# Altium PCB CANOPi_Topboard.PcbDoc (part 1 of 2) (continued)
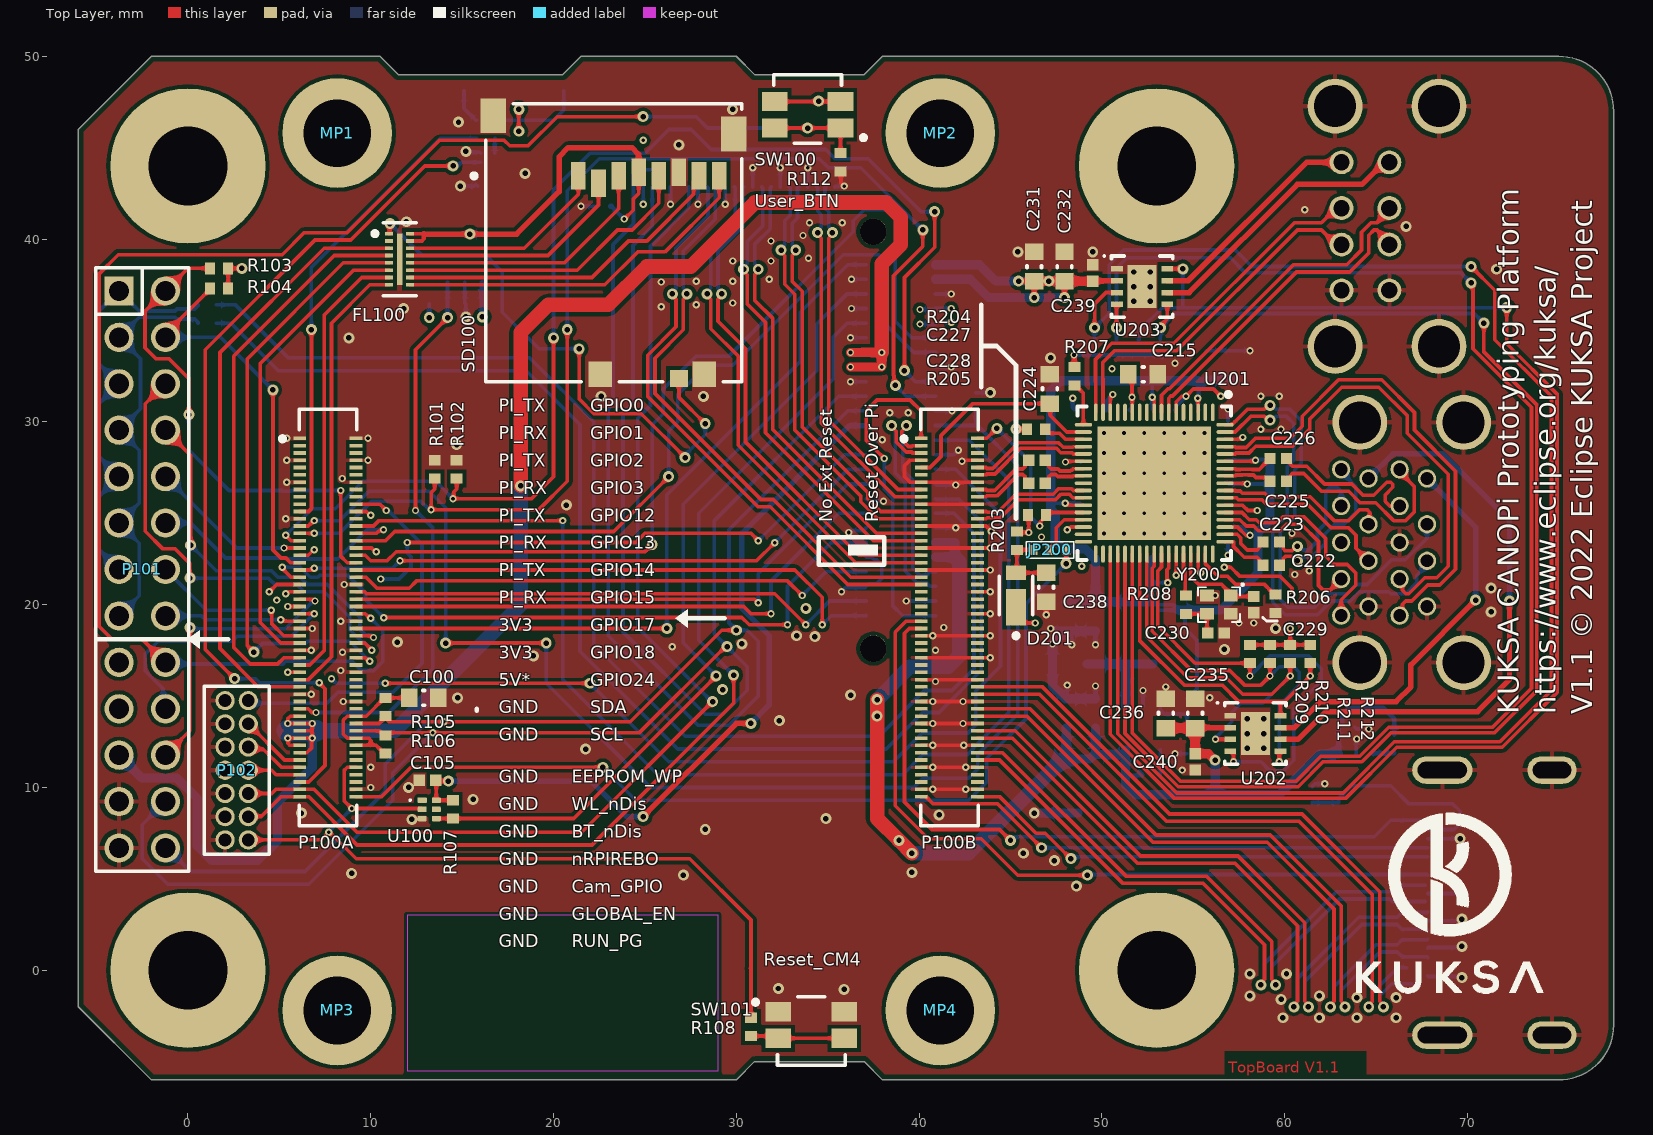
[diagram p0: Top Layer view]
## Footprints (in the part's own frame and the unit in brackets; to place one, negate y for a bottom-side part, rotate by r counter-clockwise, add the part's x,y. Pads: shape width x height; smd on the part's side, far side on the other; paste and mask are expansions set on the pad)
62201421121 [mm] "Pin Header, pitch 1.27 mm, THT, Vertical, dual row, 14p"
  round 1.05 hole 0.7: 1(-3.81,-0.635) 2(-3.81,0.635) 3(-2.54,-0.635) 4(-2.54,0.635) 5(-1.27,-0.635) 6(-1.27,0.635) 7(0,-0.635) 8(0,0.635) 9(1.27,-0.635) 10(1.27,0.635) 11(2.54,-0.635) 12(2.54,0.635) 13(3.81,-0.635) 14(3.81,0.635)
  silkscreen extent -4.59,-1.78 4.59,1.78, body extent -4.44,-1.7 4.45,1.7, height 5.33
685119134923 [mm] "HDMI SMT Horizontal"
  rect 0.28x2.6 smd: 1(4.5,5.325) 2(4,5.325) 3(3.5,5.325) 4(3,5.325) 5(2.5,5.325) 6(2,5.325) 7(1.5,5.325) 8(1,5.325) 9(0.5,5.325) 10(0,5.325) 11(-0.5,5.325) 12(-1,5.325) 13(-1.5,5.325) 14(-2,5.325) 15(-2.5,5.325) 16(-3,5.325) 17(-3.5,5.325) 18(-4,5.325) 19(-4.5,5.325)
  oval 1.5x2.7 hole 0.9 slot 2.1 at 90 deg: Shell(-7.25,-1.475) Shell(7.25,-1.475)
  oval 1.5x3.3 hole 0.9 slot 2.7 at 90 deg: Shell(-7.25,4.525) Shell(7.25,4.525)
  silkscreen extent -7.5,-4.15 7.5,6.07, body extent -7.55,-6.07 7.45,6.08, height 6.17
ABM11 [mm]
  rect 0.65x0.75 smd paste+0: 1(-0.5,0.65) 2(-0.5,-0.65) 3(0.5,-0.65) 4(0.5,0.65)
  silkscreen extent -1.15,-1.15 0.95,1.35, body extent -0.8,-1 0.8,1, height 0.59
"CAP 0402 [1005 Metric] X050 N" [mm] "CAPC1005X050_N"
  rect 0.62x0.62 smd: 1(-0.45,0) 2(0.45,0)
  body extent -0.55,-0.3 0.55,0.3, height 0.5
"CAP 0603 [1608 Metric] X080 N" [mm] "CAPC1608X080_N"
  rect 0.9x1 smd: 1(-0.8,0) 2(0.8,0)
  silkscreen extent -0.05,-0.4 0.05,0.4, body extent -0.87,-0.48 0.88,0.47, height 0.8
"CAP 1210 [3225 Metric] X250 N" [mm] "CAPC3225X250_N"
  rect 1.15x2.7 smd: 1(-1.5,0) 2(1.5,0)
  silkscreen extent -0.55,-1.25 0.55,1.25, body extent -1.7,-1.35 1.7,1.35, height 2.5
DRY0006A_V [mm] "SON, 6-Leads, Body 1.45x1mm, Pitch 0.5mm"
  rrect33% 0.52x0.3 smd paste+0: 1(-0.385,0.5)
  rrect33% 0.49x0.3 smd paste+0: 2(-0.385,0) 3(-0.385,-0.5) 4(0.385,-0.5) 5(0.385,0) 6(0.385,0.5)
  silkscreen extent -1.09,0.46 -0.99,0.56, body extent -0.5,-0.72 0.5,0.72, height 0.6
FP-EMIF06-MSD02N16-MFG [mm]
  rect 0.45x0.2 smd paste-1000: 1(-0.575,1.4) 2(-0.575,1) 3(-0.575,0.6) 4(-0.575,0.2) 5(-0.575,-0.2) 6(-0.575,-0.6) 7(-0.575,-1) 8(-0.575,-1.4) 9(0.575,-1.4) 10(0.575,-1) 11(0.575,-0.6) 12(0.575,-0.2) 13(0.575,0.2) 14(0.575,0.6) 15(0.575,1) 16(0.575,1.4)
  rect 0.3x2.8 smd paste-1000: 17(0,0)
  silkscreen extent -1.47,-2 0.9,2, body extent -0.6,-1.75 0.6,1.75, height 0.55
FP-EVQ-P7J01P-MFG [mm]
  rect 1.4x1.05 smd paste+0: 1(-1.8,0.725) 1'(1.8,0.725) 2(-1.8,-0.725) 2'(1.8,-0.725)
  silkscreen extent -3.17,-2.2 1.85,1.55, body extent -2.35,-2.1 2.35,1.45, height 1.55
FP-TUMD2M-MFG [mm]
  rect 2x1.1 smd paste+0: 1(-0.65,0)
  rect 0.8x1.1 smd paste+0: 2(1.25,0)
  silkscreen extent -2.33,-0.92 1.05,0.92, body extent -1.25,-0.7 1.25,0.7, height 0.8
"HIROSE - DF40HC(3.0)-100DS-0.4V" [mm] "DF40 Series Connector, 3mm mating height, 100 pin"
  rect 0.7x0.2 smd mask+0: 1(-1.54,9.8) 2(1.54,9.8) 3(-1.54,9.4) 4(1.54,9.4) 5(-1.54,9) 6(1.54,9) 7(-1.54,8.6) 8(1.54,8.6) 9(-1.54,8.2) 10(1.54,8.2) 11(-1.54,7.8) 12(1.54,7.8) 13(-1.54,7.4) 14(1.54,7.4) 15(-1.54,7) 16(1.54,7) 17(-1.54,6.6) 18(1.54,6.6) 19(-1.54,6.2) 20(1.54,6.2) 21(-1.54,5.8) 22(1.54,5.8) 23(-1.54,5.4) 24(1.54,5.4) 25(-1.54,5) 26(1.54,5) 27(-1.54,4.6) 28(1.54,4.6) 29(-1.54,4.2) 30(1.54,4.2) 31(-1.54,3.8) 32(1.54,3.8) 33(-1.54,3.4) 34(1.54,3.4) 35(-1.54,3) 36(1.54,3) 37(-1.54,2.6) 38(1.54,2.6) 39(-1.54,2.2) 40(1.54,2.2) 41(-1.54,1.8) 42(1.54,1.8) 43(-1.54,1.4) 44(1.54,1.4) 45(-1.54,1) 46(1.54,1) 47(-1.54,0.6) 48(1.54,0.6) 49(-1.54,0.2) 50(1.54,0.2) 51(-1.54,-0.2) 52(1.54,-0.2) 53(-1.54,-0.6) 54(1.54,-0.6) 55(-1.54,-1) 56(1.54,-1) 57(-1.54,-1.4) 58(1.54,-1.4) 59(-1.54,-1.8) 60(1.54,-1.8) 61(-1.54,-2.2) 62(1.54,-2.2) 63(-1.54,-2.6) 64(1.54,-2.6) 65(-1.54,-3) 66(1.54,-3) 67(-1.54,-3.4) 68(1.54,-3.4) 69(-1.54,-3.8) 70(1.54,-3.8) 71(-1.54,-4.2) 72(1.54,-4.2) 73(-1.54,-4.6) 74(1.54,-4.6) 75(-1.54,-5) 76(1.54,-5) 77(-1.54,-5.4) 78(1.54,-5.4) 79(-1.54,-5.8) 80(1.54,-5.8) 81(-1.54,-6.2) 82(1.54,-6.2) 83(-1.54,-6.6) 84(1.54,-6.6) 85(-1.54,-7) 86(1.54,-7) 87(-1.54,-7.4) 88(1.54,-7.4) 89(-1.54,-7.8) 90(1.54,-7.8) 91(-1.54,-8.2) 92(1.54,-8.2) 93(-1.54,-8.6) 94(1.54,-8.6) 95(-1.54,-9) 96(1.54,-9) 97(-1.54,-9.4) 98(1.54,-9.4) 99(-1.54,-9.8) 100(1.54,-9.8)
  silkscreen extent -2.61,-11.4 1.57,11.4, body extent -1.69,-11.3 1.69,11.3, height 3.05
"HIROSE - FH12-22S-0.5SH55-Footprint-1" [mm]
  rect 0.3x1.3 smd: 1(-5.25,0) 2(-4.75,0) 3(-4.25,0) 4(-3.75,0) 5(-3.25,0) 6(-2.75,0) 7(-2.25,0) 8(-1.75,0) 9(-1.25,0) 10(-0.75,0) 11(-0.25,0) 12(0.25,0) 13(0.75,0) 14(1.25,0) 15(1.75,0) 16(2.25,0) 17(2.75,0) 18(3.25,0) 19(3.75,0) 20(4.25,0) 21(4.75,0) 22(5.25,0)
  rect 1.8x2.2 smd: M(-7.15,-3.25) M(7.15,-3.25)
  silkscreen extent -7.75,-6.65 7.75,0.38, body extent -7.56,-6.22 7.54,0.18, height 2.12
IFSC-1515AH [mm] "Inductor 1515, 2-Leads, Body 4,00x4,00mm, IPC Medium Density"
  rect 1.5x3.6 smd: 1(-1.65,0) 2(1.65,0)
  silkscreen extent -2.1,-2.1 2.1,2.1, body extent -2.1,-2 2.1,2, height 2
MF05A_N [mm] "SOT23, 5-Leads, Body 2.9x1.6mm, Pitch 0.95mm, Lead Span 2.8mm, IPC Medium Density"
  rect 1.1x0.65 smd: 1(-1.2,0.95) 2(-1.2,0) 3(-1.2,-0.95) 4(1.2,-0.95) 5(1.2,0.95)
  silkscreen extent -1.32,-1.5 0.25,1.95, body extent -0.83,-1.49 0.83,1.5, height 1.19
"MOLEX - 484060003" [mm] "Universal Serial Bus (USB 3.0) I/O Receptacle, Dual Port Stacked, Right-Angle, Type A, High-Temperature Blue Nylon, 0.38µm Gold (Au) Plating, Contact Height 4.13mm"
  round 1 hole 0.7: 1(2.71,3.5) 2(2.71,1) 3(2.71,-1) 4(2.71,-3.5) 5(4.21,-4) 6(4.21,-2) 7(4.21,0) 8(4.21,2) 9(4.21,4) 10(5.91,3.5) 11(5.91,1) 12(5.91,-1) 13(5.91,-3.5) 14(7.41,-4) 15(7.41,-2) 16(7.41,0) 17(7.41,2) 18(7.41,4)
  round 3 hole 2.3: 19(0.71,-6.57) 19(0.71,6.57) 19(6.39,-6.57) 19(6.39,6.57)
  silkscreen extent 2.58,-6.65 8.73,6.65, body extent -8.73,-7.83 8.73,7.84, height 16.2
"MOLEX - 672984090" [mm] "Universal Serial Bus (USB) Shielded I/O Receptacle, Right-Angle, Dual Stacked, Type A, Gold (Au) Flash, White Housing, with 4 Beveled Metal Pins, Lead-Free"
  round 1.3 hole 0.9: 1(4.87,3.5) 2(4.87,1) 3(4.87,-1) 4(4.87,-3.5) 5(7.49,3.5) 6(7.49,1) 7(7.49,-1) 8(7.49,-3.5)
  round 3 hole 2.3: 9(2.16,-6.57) 9(2.16,6.57) 9(7.84,-6.57) 9(7.84,6.57)
  silkscreen extent 4.03,-6.65 8.93,6.65, body extent -8.93,-7.66 8.93,7.66, height 15.88
MOLX-473521001_V [mm] "SMD, 8-Leads, Body 15.2x14mm, Pitch 1.1mm"
  rect 0.8x1.5 smd: 1(1.94,-3.66) 2(0.84,-3.26) 3(-0.26,-3.66) 4(-1.36,-3.86) 5(-2.46,-3.66) 6(-3.56,-3.86) 7(-4.66,-3.66) 8(-5.76,-3.66)
  rect 1x0.95 smd: 9(-3.56,7.425)
  rect 1.3x1.4 smd: 10(-4.95,7.2) 11(0.75,7.2)
  rect 1.4x1.9 smd: 12(6.6,-6.95) 13(-6.55,-5.95)
  silkscreen extent -7,-7.6 7.77,7.6, body extent -7.05,-7.6 7.05,7.6, height 1.85
"ON SEMICONDUCTOR - SOT-23, 5 Lead  CASE 527AH-01" [mm] "SOT95P280X145-5N, SOT23, 5-Leads, Body 2.90x2.80mm, Pitch 0.95mm, IPC Medium Density"
  oval 1.05x0.6 smd: 1(-1.325,0.95)
  rrect50% 1.05x0.6 smd: 2(-1.325,0) 3(-1.325,-0.95) 4(1.325,-0.95) 5(1.325,0.95)
  silkscreen extent -1.45,-1.45 0.4,1.93, body extent -1.4,-1.45 1.4,1.45, height 1.45
QFN40P800X800X90_HS-69N [mm] "QFN, 68-Leads, Body 8,00x8,00mm, Pitch 0,40mm, Thermal Pad 6,20x6,20mm, IPC Medium Density"
  oval 0.95x0.2 smd: 1(-3.875,3.2) 2(-3.875,2.8) 3(-3.875,2.4) 4(-3.875,2) 5(-3.875,1.6) 6(-3.875,1.2) 7(-3.875,0.8) 8(-3.875,0.4) 9(-3.875,0) 10(-3.875,-0.4) 11(-3.875,-0.8) 12(-3.875,-1.2) 13(-3.875,-1.6) 14(-3.875,-2) 15(-3.875,-2.4) 16(-3.875,-2.8) 17(-3.875,-3.2) 35(3.875,-3.2) 36(3.875,-2.8) 37(3.875,-2.4) 38(3.875,-2) 39(3.875,-1.6) 40(3.875,-1.2) 41(3.875,-0.8) 42(3.875,-0.4) 43(3.875,0) 44(3.875,0.4) 45(3.875,0.8) 46(3.875,1.2) 47(3.875,1.6) 48(3.875,2) 49(3.875,2.4) 50(3.875,2.8) 51(3.875,3.2)
  oval 0.2x0.95 smd: 18(-3.2,-3.875) 19(-2.8,-3.875) 20(-2.4,-3.875) 21(-2,-3.875) 22(-1.6,-3.875) 23(-1.2,-3.875) 24(-0.8,-3.875) 25(-0.4,-3.875) 26(0,-3.875) 27(0.4,-3.875) 28(0.8,-3.875) 29(1.2,-3.875) 30(1.6,-3.875) 31(2,-3.875) 32(2.4,-3.875) 33(2.8,-3.875) 34(3.2,-3.875) 52(3.2,3.875) 53(2.8,3.875) 54(2.4,3.875) 55(2,3.875) 56(1.6,3.875) 57(1.2,3.875) 58(0.8,3.875) 59(0.4,3.875) 60(0,3.875) 61(-0.4,3.875) 62(-0.8,3.875) 63(-1.2,3.875) 64(-1.6,3.875) 65(-2,3.875) 66(-2.4,3.875) 67(-2.8,3.875) 68(-3.2,3.875)
  rect 6.2x6.2 smd: 69(0,0)
  silkscreen extent -4.97,-4.2 4.2,4.2, body extent -4.05,-4.05 4.05,4.05, height 0.9
"RES 0402 [1005 Metric]_N" [mm] "RESC1005X04_N"
  rect 0.55x0.65 smd: 1(-0.5,0) 2(0.5,0)
  body extent -0.52,-0.27 0.53,0.28, height 0.4
"SAMTEC - ERM8-025-02.0-S-DV-TR-Footprint-1" [mm]
  rect 0.5x1.1 smd: 1(-9.6,1.9) 2(-9.6,-1.9) 3(-8.8,1.9) 4(-8.8,-1.9) 5(-8,1.9) 6(-8,-1.9) 7(-7.2,1.9) 8(-7.2,-1.9) 9(-6.4,1.9) 10(-6.4,-1.9) 11(-5.6,1.9) 12(-5.6,-1.9) 13(-4.8,1.9) 14(-4.8,-1.9) 15(-4,1.9) 16(-4,-1.9) 17(-3.2,1.9) 18(-3.2,-1.9) 19(-2.4,1.9) 20(-2.4,-1.9) 21(-1.6,1.9) 22(-1.6,-1.9) 23(-0.8,1.9) 24(-0.8,-1.9) 25(0,1.9) 26(0,-1.9) 27(0.8,1.9) 28(0.8,-1.9) 29(1.6,1.9) 30(1.6,-1.9) 31(2.4,1.9) 32(2.4,-1.9) 33(3.2,1.9) 34(3.2,-1.9) 35(4,1.9) 36(4,-1.9) 37(4.8,1.9) 38(4.8,-1.9) 39(5.6,1.9) 40(5.6,-1.9) 41(6.4,1.9) 42(6.4,-1.9) 43(7.2,1.9) 44(7.2,-1.9) 45(8,1.9) 46(8,-1.9) 47(8.8,1.9) 48(8.8,-1.9) 49(9.6,1.9) 50(9.6,-1.9)
  round 1.45 hole 1.45: M(-11.4,-1.5) M(11.4,-1.5)
  silkscreen extent -13.21,-3.05 13.21,4.19, body extent -13,-2.8 13,2.8, height 5.78
"Solder Jumper Triple 0402 with Assembly between 1 and 2" [mm] "Solder Jumper Triple 0402 with Assembly between 1 and 2"
  rect 0.45x0.55 smd: 1(0.45,0) 2(-0.45,0) 3(1.35,0)
  silkscreen extent -0.85,-0.45 1.75,0.45, body extent -0.5,-0.25 0.5,0.25, height 0.4
SON65P300X60_HS-9N [mm] "SON, 8-Leads, Body 3,00x3,00mm, Pitch 0,65mm, Thermal Pad 2,35x1,34mm, IPC Medium Density"
  rect 0.65x0.3 smd: 1(-1.375,0.975) 2(-1.375,0.325) 3(-1.375,-0.325) 4(-1.375,-0.975) 5(1.375,-0.975) 6(1.375,-0.325) 7(1.375,0.325) 8(1.375,0.975)
  rect 1.6x2.35 smd: 9(0,0)
  silkscreen extent -2.12,-1.68 1.67,1.72, body extent -1.53,-1.53 1.52,1.52, height 0.6
"WUERTH ELEKTRONIK - 9774030151" [mm] "SMT Steel Spacer with internal Thread M2.5, height 3mm"
  round 6 / inner round 0 / far side round 0 hole 3.7 unplated: 1(0,0)
  body extent -2.55,-2.55 2.55,2.55, height 3
"WUERTH ELEKTRONIK - 61302621121" [mm] "Pin Header, 26-Pins, 2-reihig, 2.54mm Pitch, THT, gerade"
  rect 1.6x1.6 hole 1.1: 1(-1.27,15.24)
  round 1.6 hole 1.1: 2(1.27,15.24) 3(-1.27,12.7) 4(1.27,12.7) 5(-1.27,10.16) 6(1.27,10.16) 7(-1.27,7.62) 8(1.27,7.62) 9(-1.27,5.08) 10(1.27,5.08) 11(-1.27,2.54) 12(1.27,2.54) 13(-1.27,0) 14(1.27,0) 15(-1.27,-2.54) 16(1.27,-2.54) 17(-1.27,-5.08) 18(1.27,-5.08) 19(-1.27,-7.62) 20(1.27,-7.62) 21(-1.27,-10.16) 22(1.27,-10.16) 23(-1.27,-12.7) 24(1.27,-12.7) 25(-1.27,-15.24) 26(1.27,-15.24)
  silkscreen extent -2.54,-16.51 2.54,16.51, body extent -2.54,-16.51 2.54,16.51, height 8.55
"WUERTH ELEKTRONIK - WL-SMSW" [mm] "LED WL-SMSW SMT Mono-color Side view Waterclear, 1204"
  rect 1.5x1 smd: A(1.75,0) C(-1.75,0)
  rect 0.8x0.6 smd: M1(0,-0.2)
  silkscreen extent -2.04,-0.6 0.95,1.48, body extent -1.6,0 1.6,1.48, height 1

## Part data
C100 C232 C236 C238: library part CMP-02997-5, "SMD/SMT 0603 10V -10% +10% X7R - Multilayer Ceramic Capacitors MLCC", Capacitance=1µF, Capacitance Tolerance neg=-10%, Capacitance Tolerance pos=10%, Case=0603, Dielectric Type=X7R, Manufacturer=MURATA, Manufacturer Part Number=GRM188R71A105KA61#, Operating Temperature max=125°C, Operating Temperature min=-55°C, Voltage Rating=10V, Assembly=yes, ComponentLink1Description=Datasheet, ComponentLink1URL=http://psearch.en.murata.com/capacitor/lineup/grm/, IPC Footprint Naming=CAPC1608X080, Mounting Type=SMT
C101 C102 C103 C104 C105 C106 C201 C202 C203 C204 C205 C206 C207 C208 C216 C217 C218 C219 C220 C221 C222 C223 C225 C226 C227 C228 C233 C237 C239 C240: library part CMP-04212-4, "SMD/SMT 0402 6.3V -10% +10% X7R - Multilayer Ceramic Capacitors MLCC", Capacitance=100nF, Capacitance Tolerance neg=-10%, Capacitance Tolerance pos=10%, Case=0402, Dielectric Type=X7R, Manufacturer=MURATA, Manufacturer Part Number=GRM155R70J104KA01#, Operating Temperature max=125°C, Operating Temperature min=-55°C, Voltage Rating=6.3V, Assembly=yes, ComponentLink1Description=Datasheet, ComponentLink1URL=http://psearch.en.murata.com/capacitor/lineup/grm/, IPC Footprint Naming=CAPC1005X050, Mounting Type=SMT
C200 C209 C210 C211 C212 C213 C214 C215 C231 C235: library part CMP-06061-3, "SMT 10µF ±20% 6,3 V Keramikkondensatoren X5R", Capacitance=10µF, Capacitance Tolerance neg=-20%, Capacitance Tolerance pos=20%, Case=0603, Dielectric Type=X5R, Manufacturer=MURATA, Manufacturer Part Number=GRM188R60J106ME84, Operating Temperature max=85°C, Operating Temperature min=-55°C, Voltage Rating=6,3V, Assembly=yes, ComponentLink1Description=Datasheet, ComponentLink1URL=https://search.murata.co.jp/Ceramy/image/img/A01X/G101/ENG/GRM188R60J106ME84-01.pdf, IPC Footprint Naming=CAPC1608X080, Mounting Type=SMT
C224: library part CMP-06061-3, "SMT 10µF ±20% 6,3 V Keramikkondensatoren X5R", Capacitance=10µF, Capacitance Tolerance neg=-20%, Capacitance Tolerance pos=20%, Case="0603 [1608]", Dielectric Type=X5R, Manufacturer=MURATA, Manufacturer Part Number=GRM188R60J106ME84, Operating Temperature max=85°C, Operating Temperature min=-55°C, Voltage Rating=6,3V, Assembly=yes, ComponentLink1Description=Datasheet, ComponentLink1URL=https://search.murata.co.jp/Ceramy/image/img/A01X/G101/ENG/GRM188R60J106ME84-01.pdf, IPC Footprint Naming=CAPC1608X080, Mounting Type=SMT
C229 C230: library part CMP-03766-4, "SMD/SMT 0402 25V -2% +2% C0G - Multilayer Ceramic Capacitors MLCC", Capacitance=15pF, Capacitance Tolerance neg=-2%, Capacitance Tolerance pos=2%, Case=0402, Dielectric Type="C0G (NP0)", Manufacturer=MURATA, Manufacturer Part Number=GRM1555C1E150GA01#, Operating Temperature max=125°C, Operating Temperature min=-55°C, Voltage Rating=25V, Assembly=yes, ComponentLink1Description=Datasheet, ComponentLink1URL=http://psearch.en.murata.com/capacitor/lineup/grm/, IPC Footprint Naming=CAPC1005X050, Mounting Type=SMT
C234: library part CMP-10010-2, "100µF ±20% 16V Ceramic Capacitor X5R 1210 (3225 Metric)", Capacitance=100µF, Capacitance Tolerance neg=-20%, Capacitance Tolerance pos=20%, Case="1210 [3225]", Dielectric Type=X5R, Manufacturer="TAIYO YUDEN", Manufacturer Part Number=EMK325ABJ107MM-T, Operating Temperature max=85°C, Operating Temperature min=-55°C, Voltage Rating=16V, Assembly=yes, ComponentLink1Description="Manufacturer Link", ComponentLink1URL=https://www.yuden.co.jp/productdata/catalog/mlcc06_e.pdf, Mounting Type=SMT
D100: library part CMP-11201-1, "LED, RED, Right Angle SMD 3.2*1.0mm WL-SMSW SMT Mono-color Side view Waterclear", Case=1305, Colour LED1=red, Forward Current LED1=25mA, Forward Voltage LED1=2V, Manufacturer="WUERTH ELEKTRONIK", Manufacturer Part Number=155124RS73200, Operating Temperature max=85°C, Operating Temperature min=-40°C, Reverse Voltage LED1=5V, Assembly=yes, ComponentLink1Description=Datahseet, ComponentLink1URL=https://katalog.we-online.de/led/datasheet/155124BS73200.pdf, Luminous Intensity LED1=150mcd, Mounting Type=SMT, View Angle=120°, Wavelength LED1=470nm
D101: library part CMP-11200-1, "LED, GREEN, Right Angle SMD 3.2*1.0mm WL-SMSW SMT Mono-color Side view Waterclear", Case=1305, Colour LED1=green, Forward Current LED1=25mA, Forward Voltage LED1=3.4V, Manufacturer="WUERTH ELEKTRONIK", Manufacturer Part Number=155124VS73200, Operating Temperature max=85°C, Operating Temperature min=-40°C, Reverse Voltage LED1=5V, Assembly=yes, ComponentLink1Description=Datahseet, ComponentLink1URL=https://katalog.we-online.de/led/datasheet/155124BS73200.pdf, Luminous Intensity LED1=150mcd, Mounting Type=SMT, View Angle=120°, Wavelength LED1=470nm
D200 D201: library part CMP-08971-000009-1, "DIODE SCHOTTKY 20V 1A TUMD2M", Forward Current=1A, Manufacturer=Rohm, Max Junction Temp=+125°C, Max Repetitive Reverse Voltage=30V, Max Surge Forward Current=3A, Package=TUMD2M, Peak Reverse Current=200uA, Reverse Voltage=20V, Automotive=No, Category=Diode, ComponentLink2Description=Datasheet, ComponentLink2URL=https://www.rohm.com/datasheet/RBE1VAM20A/rbe1vam20atr-e, Device Class L1="Discrete Semiconductors", Device Class L2=Diodes, Device Class L3="Schottky Diodes", Digikey Description="DIODE SCHOTTKY 20V 1A TUMD2M", Height=0.8mm, Lead Free=Yes, Manufacturer Part Number=RBE1VAM20ATR, Octopart=https://octopart.com/rbe1vam20atr-rohm-50418626, RoHS=TRUE
FL100: library part CMP-12221-000004-1, "FILTER RC(PI) 45 OHM/20PF SMD", Breakdown Voltage=8V, Capacitance=20pF, Case/Package=QFN, Max Operating Temperature=85°C, Min Operating Temperature=-30°C, Package Quantity=1, Contact Plating=Gold, Depth=1.25mm, ESD Protection=Yes, Height=0.022inch, Lead Free="Lead Free", Length=3.55mm, Max Breakdown Voltage=8V, Mount="Surface Mount", Number of Channels=6, Number of Pins=16, Packaging="Tape and Reel", Radiation Hardening=No, REACH SVHC="No SVHC", Termination=Flat, Width=0.047inch
J100: library part CMP-1502-00169-1, "HDMI Type A Receptacle WR-HDMI, Horizontal, SMT", Contact Resistance=30mOhm, Manufacturer="Wurth Elektronik", Operating Temperature=-20to85degC, Rated Current=0.5A, Working Voltage=40VDC, Connector Type=HDMITypeA, Datasheet URL=https://katalog.we-online.de/em/datasheet/685119134923.pdf, Gender=Receptacle, Manufacturer URL=http://www.we-online.de, Mounting Technology=SMT, Orientation=Horizontal, Package Reference=685119134923, Packaging=TapeandReel, Part Number=685119134923, Publisher=WurthElektronik
J101: library part CMP-11225-1, "FFC/FPC Steckverbinder, 22 Positionen, unten 0,020\" (0,50mm) Oberflächenmontage, rechtwinklig", Current Rating=500mA, Manufacturer="Hirose Electric Co., Ltd.", Manufacturer Part Number=FH12-22S-0.5SH55, Operating Temperature max=85°C, Operating Temperature min=-40°C, Voltage Rating=50V, Assembly=yes, ComponentLink1Description="Manufacturer Link", ComponentLink1URL=https://www.hirose.com/product/document?clcode=&productname=&series=FH12&documenttype=Catalog&lang=en&documentid=D31648_en, Gender=Female, Mounting Type=SMT, Number of Pins=22, Number of Rows=1, Pitch Spacing=500µm
J200: library part CMP-11209-3, "Universal Serial Bus (USB 3.0) I/O Receptacle, Dual Port Stacked, Right-Angle, TypeA, High-Temperature Blue Nylon, 0.38¿m Gold (Au) Plating, Contact Height 4.13mm", Current Rating=1,8A, Manufacturer=MOLEX, Manufacturer Part Number=484060003, Operating Temperature max=85°C, Operating Temperature min=-20°C, Voltage Rating=30V, Assembly=yes, ComponentLink1Description="Manufacturer Link", ComponentLink1URL=https://www.molex.com/molex/products/part-detail/io_connectors/0484060003, Contact Plating="0.38¿m Gold (Au) Plating", Gender=Female, Mounting Type=THT, Number of Pins=22, Number of Rows=0, Pitch Spacing=2mm
J201: library part CMP-11205-2, "Universal Serial Bus (USB) Shielded I/O Receptacle, Right-Angle, Dual Stacked, Type A, Gold (Au) Flash, White Housing, with 4 Beveled Metal Pins, Lead-Free", Current Rating=1,5A, Manufacturer=MOLEX, Manufacturer Part Number=672984090, Operating Temperature max=50°C, Operating Temperature min=0°C, Voltage Rating=30V, Assembly=yes, ComponentLink1Description="Manufacturer Link", ComponentLink1URL=https://www.molex.com/molex/products/part-detail/io_connectors/0672984090, Contact Plating=Gold, Gender=Female, Mounting Type=THT, Number of Pins=13, Number of Rows=0, Pitch Spacing=2mm
J202: library part CMP-11270-3, "50 Poliger Steckverbinder Steckleiste, Mittenstreifenkontakte Oberflächenmontage Gold", Current Rating=1,1A, Manufacturer=Samtec, Manufacturer Part Number=ERM8-025-02.0-L-DV-TR, Operating Temperature max=150°C, Operating Temperature min=-40°C, Voltage Rating=200V, Assembly=yes, ComponentLink1Description="Manufacturer Link", ComponentLink1URL=https://www.samtec.com/products/erm8-025-02.0-l-dv-tr, Gender=Male, Mounting Type=SMT, Number of Pins=50, Number of Rows=2, Pitch Spacing=800µm, System=Connector
JP200: library part CMP-04522-6, Case="0402 Triple", Manufacturer=YAGEO, Manufacturer Part Number=RC0402JR-070RL, Operating Temperature max=0°C, Assembly="between 1 and 2", ComponentLink1Description=Datasheet, Mounting Type=SMT, Operating Temperature min=0°C
L200: library part CMP-11169-1, "Low Profile, High Current Inductor", Case=1515, Current Rating DC/RMS=2,75A, Inductance=3,3µH, Inductance Tolerance=20, Manufacturer=VISHAY, Manufacturer Part Number=IFSC1515AHER3R3M01, Operating Temperature max=125°C, Operating Temperature min=-55°C, Resistance DC max=56m, Self Resonance Frequency min=0Hz, Assembly=yes, ComponentLink1Description="Manufacturer Link", Mounting Type=SMT
MP1 MP2 MP3 MP4: library part CMP-12569-1, "WA-SMSI SMT Steel Spacer with internal Thread, OD 5.1mm, M2.5 x 3mm", Manufacturer="WUERTH ELEKTRONIK", Manufacturer Part Number=9774030151, Operating Temperature max=155°C, Operating Temperature min=-55°C, Assembly=yes, ComponentLink1Description="Manufacturer Link", ComponentLink1URL=https://www.we-online.com/components/products/datasheet/9774030151.pdf
P100A: library part CMP-12565-1, "Connector Pin 1-100, Parameters from HIROSE - DF40HC(3.0)-100DS-0.4V", Current Rating=300mA, Manufacturer=HIROSE, Manufacturer Part Number=DF40HC(3.0)-100DS-0.4V, Operating Temperature max=85°C, Operating Temperature min=-35°C, Voltage Rating=30V, Assembly=yes, ComponentLink1Description="Manufacturer Link", ComponentLink1URL=https://www.hirose.com/en/product/p/CL0684-4151-0-51, Contact Plating=Au, Gender=Receptacle, Mounting Type=SMT, Number of Pins=100, Number of Rows=2, Pitch Spacing=400mm
P100B: library part CMP-12566-2, "Connector Pin 101-200, Parameters from HIROSE - DF40HC(3.0)-100DS-0.4V", Current Rating=300mA, Manufacturer=HIROSE, Manufacturer Part Number=DF40HC(3.0)-100DS-0.4V, Operating Temperature max=85°C, Operating Temperature min=-35°C, Voltage Rating=30V, Assembly=yes, ComponentLink1Description="Manufacturer Link", ComponentLink1URL=https://www.hirose.com/en/product/p/CL0684-4151-0-51, Contact Plating=Au, Gender=Receptacle, Mounting Type=SMT, Number of Pins=100, Number of Rows=2, Pitch Spacing=400mm
P101: library part CMP-05158-2, "26 pin 2.54MM DUAL PIN HEADER", Case="26pin 2.54mm dual-row pin header", Current Rating=3A, Manufacturer="WUERTH ELEKTRONIK", Manufacturer Part Number=61302621121, Operating Temperature max=105°C, Operating Temperature min=-40°C, Voltage Rating=250V, Assembly=yes, ComponentLink1Description=Datasheet, ComponentLink1URL=http://katalog.we-online.de/em/datasheet/6130xx21121.pdf, Contact Plating=gold, Gender=male, Mounting Type=THT, Number of Pins=26, Number of Rows=2, Pitch Spacing=2,54mm
P102: library part CMP-1502-00949-1, "THT Vertical Pin Header WR-PHD, Pitch 1.27 mm, Dual Row, 14 pins", Contact Resistance=20mOhm, Manufacturer="Wurth Elektronik", Operating Temperature=-40to105degC, Rated Current=1A, Withstanding Voltage=500VAC, Working Voltage=100VAC, Datasheet URL=https://katalog.we-online.de/em/datasheet/62201421121.pdf, Gender=Male, Manufacturer URL=http://www.we-online.de, Mounting Technology=THT, Orientation=Vertical, Package Reference=62201421121, Packaging=Box, Part Number=62201421121, Pin Number=14, Pitch=1.27mm, Publisher=WurthElektronik, Row Number=Dual
R100 R101 R102 R107 R201 R209 R210 R211 R212 R213 R214 R215 R216: library part CMP-01074-5, "RC0402 series chip resistor with lead-free terminations made by thick film process", Case=0402, Current Rating=1A, Manufacturer=YAGEO, Manufacturer Part Number=RC0402FR-07100KL, Operating Temperature max=155°C, Operating Temperature min=-55°C, Power Rating=62.5mW, Resistance=100k, Resistance Tolerance=1%, Resistor Element Type="Thick Film", Temperature Coefficient=±100ppm/K, Voltage Rating=50V, Assembly=yes, ComponentLink1Description=Datasheet, ComponentLink1URL=http://www.yageo.com/documents/recent/PYu-RC0402_51_RoHS_L_6.pdf, IPC Footprint Naming=RESC1005X04, Mounting Type=SMT
R103 R104 R105 R106: library part CMP-00920-7, "RC0402 series chip resistor with lead-free terminations made by thick film process", Case=0402, Current Rating=1A, Manufacturer=YAGEO, Manufacturer Part Number=RC0402FR-074K7L, Operating Temperature max=155°C, Operating Temperature min=-55°C, Power Rating=62.5mW, Resistance=4.7k, Resistance Tolerance=1%, Resistor Element Type="Thick Film", Temperature Coefficient=±100ppm/K, Voltage Rating=50V, Assembly=yes, ComponentLink1Description=Datasheet, ComponentLink1URL=https://www.yageo.com/upload/media/product/productsearch/datasheet/rchip/PYu-RC_Group_51_RoHS_L_10.pdf, IPC Footprint Naming=RESC1005X04, Mounting Type=SMT
R108: library part CMP-00765-5, "RC0402 series chip resistor with lead-free terminations made by thick film process", Case=0402, Current Rating=1A, Manufacturer=YAGEO, Manufacturer Part Number=RC0402FR-07220RL, Operating Temperature max=155°C, Operating Temperature min=-55°C, Power Rating=62.5mW, Resistance=220R, Resistance Tolerance=1%, Resistor Element Type="Thick Film", Temperature Coefficient=±100ppm/K, Voltage Rating=50V, Assembly=yes, ComponentLink1Description=Datasheet, ComponentLink1URL=http://www.yageo.com/documents/recent/PYu-RC0402_51_RoHS_L_6.pdf, IPC Footprint Naming=RESC1005X04, Mounting Type=SMT
R109 R112 R200 R203 R204 R205 R207: library part CMP-00958-6, "RC0402 series chip resistor with lead-free terminations made by thick film process", Case=0402, Current Rating=1A, Manufacturer=YAGEO, Manufacturer Part Number=RC0402FR-0710KL, Operating Temperature max=155°C, Operating Temperature min=-55°C, Power Rating=62.5mW, Resistance=10k, Resistance Tolerance=1%, Resistor Element Type="Thick Film", Temperature Coefficient=±100ppm/K, Voltage Rating=50V, Assembly=yes, ComponentLink1Description=Datasheet, ComponentLink1URL=http://www.yageo.com/documents/recent/PYu-RC0402_51_RoHS_L_6.pdf, IPC Footprint Naming=RESC1005X04, Mounting Type=SMT
R110 R111 R113 R114 R115: library part CMP-00843-5, "RC0402 series chip resistor with lead-free terminations made by thick film process", Case=0402, Current Rating=1A, Manufacturer=YAGEO, Manufacturer Part Number=RC0402FR-071KL, Operating Temperature max=155°C, Operating Temperature min=-55°C, Power Rating=62.5mW, Resistance=1k, Resistance Tolerance=1%, Resistor Element Type="Thick Film", Temperature Coefficient=±100ppm/K, Voltage Rating=50V, Assembly=yes, ComponentLink1Description=Datasheet, ComponentLink1URL=http://www.yageo.com/documents/recent/PYu-RC0402_51_RoHS_L_6.pdf, IPC Footprint Naming=RESC1005X04, Mounting Type=SMT
R202: library part CMP-00972-6, "RC0402 series chip resistor with lead-free terminations made by thick film process", Case=0402, Current Rating=1A, Manufacturer=YAGEO, Manufacturer Part Number=RC0402FR-0713K3L, Operating Temperature max=155°C, Operating Temperature min=-55°C, Power Rating=62,5mW, Resistance=13,3k, Resistance Tolerance=1%, Resistor Element Type="Thick Film", Temperature Coefficient=±100ppm/K, Voltage Rating=50V, Assembly=yes, ComponentLink1Description=Datasheet, ComponentLink1URL=http://www.yageo.com/documents/recent/PYu-RC0402_51_RoHS_L_6.pdf, IPC Footprint Naming=RESC1005X04, Mounting Type=SMT
R206: library part CMP-00933-6, "RC0402 series chip resistor with lead-free terminations made by thick film process", Case=0402, Current Rating=1A, Manufacturer=YAGEO, Manufacturer Part Number=RC0402FR-076K04L, Operating Temperature max=155°C, Operating Temperature min=-55°C, Power Rating=62,5mW, Resistance=6,04k, Resistance Tolerance=1%, Resistor Element Type="Thick Film", Temperature Coefficient=±100ppm/K, Voltage Rating=50V, Assembly=yes, ComponentLink1Description=Datasheet, ComponentLink1URL=http://www.yageo.com/documents/recent/PYu-RC0402_51_RoHS_L_6.pdf, IPC Footprint Naming=RESC1005X04, Mounting Type=SMT
R208: library part CMP-06970-3, "RC0402 series chip resistor with lead-free terminations made by thick film process", Case=0402, Current Rating=1A, Manufacturer=ROHM, Manufacturer Part Number=MCR01MZPF100, Operating Temperature max=155°C, Operating Temperature min=-55°C, Power Rating=63mW, Resistance=100R, Resistance Tolerance=1%, Resistor Element Type="Thick Film", Temperature Coefficient=±100ppm/K, Voltage Rating=50V, Assembly=yes, ComponentLink1Description=Datasheet, ComponentLink1URL=https://www.rohm.com/site-search?p_p_id=rohmsitesearch_WAR_rohmcomboportlet&p_p_lifecycle=1&p_p_state=normal&_rohmsitesearch_WAR_rohmcomboportlet_action=siteSearchAction&p_auth=xKaajgv6, eADM Name=8905501369, IPC Footprint Naming=RESC1005X04, Mounting Type=SMT
SD100: library part CMP-2000-05848-1, "MicroSD(TM), Pitch 1.1 mm, 8 Position, Height 1.88 mm, -20 to 85 degC, RoHS, Tape and Reel", Manufacturer=Molex, Package Description="MicroSD(TM), Pitch 1.1 mm, 8 Position, Height 1.88 mm", Datasheet URL=http://www.molex.com/pdm_docs/sd/473521001_sd.pdf, Datasheet Version="Rev. G, 01/2012", Manufacturer URL=http://www.molex.com/, Mounting Technology=SurfaceMount, Package Reference=473521001
SW100 SW101: library part CMP-05618-000001-1, "SWITCH TACTILE SPST-NO 0.05A 12V", Contact Current Rating=50mA, Contact Resistance=500mΩ, Manufacturer=Panasonic, Operating Force=1.6N, Package=0, Temperature="-20°C to +70°C", Temperature Range High=+70°C, Temperature Range Low=-20°C, Voltage Rating DC=12V, Automotive=No, Category=Switch, ComponentLink2Description=Datasheet, ComponentLink2URL=https://b2b-api.panasonic.eu/file_stream/pids/fileversion/2431, Device Class L1=Electromechanical, Device Class L2=Switches, Device Class L3="Tactile Switches", Digikey Description="SWITCH TACTILE SPST-NO 0.05A 12V", Electromechanical Life=100000Cycles, Height=1.55mm, Lead Free=Yes, Manufacturer Part Number=EVQ-P7J01P, Mount="Surface Mount", Mouser Description="Tactile Switches 3.5x2.9mm Right Ang Light Touch Switch", Octopart=https://octopart.com/evq-p7j01p-panasonic-29917078, RoHS=TRUE, Throw Configuration=SPST-NO
U100 U103: library part CMP-0859-00833-3, "Single Buffer/Driver With Open-Drain Output, DRY0006A, LARGE T&R", F @ Nom Voltage(Max)(Mhz)=150, Generic Part Number=SN74LVC1G07, ICC @ Nom Voltage(Max)(mA)=0.01, Manufacturer="Texas Instruments", Operating Temperature Range(C)="-40 to 125,-40 to 85", Rating=Catalog, tpd @ Nom Voltage(Max)(ns)=8.6,6,4.7,4, Voltage(Nom)(V)=1.8,2.5,3.3,5, 3-State Output=No, Bits(#)=1, DatasheetVersion=SCES296AC, Input Type=CMOS/TTL, Logic=True, Output Drive (IOL/IOH)(Max)(mA)=32/-32, Output Type=CMOS, PackageReference=DRY0006A, PartId=1, Schmitt Trigger=No, Sub-Family="Non-Inverting Buffer/Driver", Technology Family=LVC, VCC(Max)(V)=5.5, VCC(Min)(V)=1.65
U101 U102: library part CMP-11156-1, "The  FPF2108-FPF2110  is  a  series  of  load  switches  whichprovides   full   protection   to   systems   and   loads   which   mayencounter  large  current  conditions.", Case=SOT23-5, Input Voltage max=5,5V, Input Voltage min=1,8V, Manufacturer="ON SEMICONDUCTOR", Manufacturer Part Number=FPF2109, Operating Temperature max=125°C, Operating Temperature min=-40°C, Output Current max=400mA, Assembly=yes, ComponentLink1Description="Manufacturer Link", ComponentLink1URL=https://www.mouser.de/datasheet/2/308/1/FPF2110_D-2313671.pdf, Mounting Type=SMT, No. of Outputs=1
U200: library part CMP-0069-01177-2, "High Frequency 1.5A Load - Step-Down DC-DC Regulator, 5-pin SOT-23", Manufacturer="National Semiconductor", PackageTopMarking=SKYB*XTT, PowerWise=N, ComponentLink1Description="LM2831 Datasheet", ComponentLink1URL=http://www.national.com/ds/LM/LM2831.pdf, ComponentLink2Description="LM2831 Web Page", ComponentLink2URL=http://www.national.com/pf/LM/LM2831.html, ComponentLink3Description="MF05A Package Page", ComponentLink3URL=http://www.national.com/packaging/folders/mf05a.html, CompType=Switcher, DatasheetVersion=Aug-2006, PackageDescription="Molded SOT-23, .115 x .063 x .040 in Body, 5 Lead, .0375 in Pitch", PackageReference=MF05A, PackageVersion="revD, Aug-2008", PinCount=5, RevisionNote="Component URLs added", RoHS=N
U201: library part CMP-11157-2, "VL805 4-Port USB 3.0 Host Controller", Case=QFN-68, Manufacturer="VIA LABS", Manufacturer Part Number=VL805-Q6, Operating Temperature max=70°C, Operating Temperature min=0°C, Supply Voltage max=3,6V, Supply Voltage min=3V, Assembly=yes, ComponentLink1Description="Manufacturer Link", Data Rate max="5 Gbps (Super-Speed)", Interface Type=PCIe, Mounting Type=SMT, No. of USB Ports=4, USB Speed Modes="Low-Speed to Super-Speed", USB Version=3.0
U202 U203: library part CMP-11264-2, "Power Switch/Driver 1:2 P-Channel 1.5A U-DFN3030-8 (Type E)", Case=DFN, Input Voltage max=5,5V, Input Voltage min=2,7V, Manufacturer="Diodes Incorporated", Manufacturer Part Number=AP2182AFGEG-7, Operating Temperature max=85°C, Operating Temperature min=-40°C, Output Current max=1,5A, Assembly=yes, ComponentLink1Description="Manufacturer Link", ComponentLink1URL=https://www.diodes.com/part/view/AP2182, Mounting Type=SMT, No. of Outputs=2
Y200: library part CMP-06156-2, "25.000MHz ±15ppm Crystal 10pF 100 Ohm -20°C +70°C Surface Mount 4-SMD, No Lead (DFN, LCC)", Case=4-SMD, Frequency=25MHz, Frequency Stability=15ppm, Load Capacitance (CL)=10pF, Manufacturer=ABRACON, Manufacturer Part Number=ABM11-25.000MHZ-B7G-T, Motional Resistance (ESR)=100, Operating Temperature max=70°C, Operating Temperature min=-20°C, Shunt Capacitance (C0)=7pF, Assembly=yes, ComponentLink1Description=Datasheet, ComponentLink1URL=http://www.abracon.com/Resonators/ABM11.pdf, Frequency Tolerance=15ppm, Mounting Type=SMT

## Free pads (board coordinates)
  round 8.5 hole 4.3: 1(0,0) 1(0,44) 1(53,0) 1(53,44)

## Via types
v1: diameter 0.4, hole 0.2, Top Layer to Bottom Layer, tented both sides, 209 vias
v2: diameter 0.6, hole 0.3, Top Layer to Bottom Layer, tented both sides, 162 vias
v3: diameter 0.5, hole 0.2, Top Layer to Bottom Layer, tented bottom, 20 vias
v4: diameter 0.5, hole 0.2, Top Layer to Bottom Layer, 16 vias
v5: diameter 0.6, hole 0.3, Top Layer to Bottom Layer, 12 vias

## Nets (pads, with @x,y where several pads share a name; then routed paths per layer and width w, separated by ;. In a path a pad name is that pad's centre, name@x,y a point inside that pad or via, vN(x,y) a via of type N, cw(c..) or ccw(c..) an arc to the next point about the centre after c; other vN are vias at no path point)
1V05: C211.1 C212.1 C213.1 C214.1 C215.1 C216.1 C217.1 C218.1 C219.1 C220.1 C221.1 C233.1 C237.1 L200.2 R200.1 U201.3 U201.9 U201.12 U201.29 U201.45 U201.54 U201.60 U201.63 | length 75.4
  Top Layer w0.2: v1@48.059,25.445 U201.29@48.988,25.445 ; C215.1@51.6,32.6 51.65,32.55 v1(51.65,31.35) 51.663,31.337 U201.12@51.663,30.52 ; U201.9@52.863,30.52 52.863,31.183 ; v1(53.6,21.2) 53.563,21.237 53.563,21.907 53.663,22.007 U201.45@53.663,22.77 ; v1(55.25,31.3) 55.263,31.287 U201.3@55.263,30.52 ; U201.54@56.738,24.245 57.423,24.245 57.9,23.768 58.068,23.768 v1(58.1,23.8) ; U201.60@56.738,26.645 57.851,26.645 57.896,26.6 v1(57.95,26.6) ; U201.63@56.738,27.845 58.291,27.845 58.346,27.9 v1(58.4,27.9)
  Bottom Layer w0.2: 47.2,25.6 47.25,25.55 v1(48,25.55) 48.8,25.55 C218.1@48.85,25.5 ; C216.1@51.5,30.65 51.65,30.8 v1(51.65,31.35) 51.65,32.05 51.85,32.25 ; L200.2@52.7,20.15 L200.2@52.85,20 53.9,20 L200.2@54.2,19.7 ; 52.7,21.2 53.561,21.2 v1@53.58,21.18 ; C219.1@52.75,30.7 v1(52.75,31.35) 52.75,32.2 52.8,32.25 ; L200.2@53.15,19.7 L200.2@54.2,19.7 ; R200.1@54.65,14.85 55.2,15.4 55.2,18.05 54.55,18.7 54.55,19.35 L200.2@54.2,19.7 ; C221.1@55.3,30.65 55.25,30.7 v1(55.25,31.3) 55.25,31.354 55.3,31.404 55.3,31.95 55.45,32.1 C212.1@55.5,32.1 ; C220.1@56.85,26.7 56.95,26.6 v1(57.95,26.6) 59.2,26.6 ; C237.1@56.85,27.9 v1(58.4,27.9) 58.438,27.938 59.2,27.938 ; C233.1@56.9,24.25 57.65,24.25 v1(58.1,23.8) 58.375,23.8 58.55,23.975
  Bottom Layer w0.254: L200.2@52.7,20.15 52.7,21.2 C217.1@52.7,22.6
  Bottom Layer w0.5: C213.1@48.05,20.15 C214.1@49.65,20.15 ; L200.2@52.7,20.15 C214.1@49.65,20.15 ; L200.2@54.2,19.7 56.5,19.7 58.55,21.75 58.55,23.975 59.2,24.625 59.2,26.6 59.2,27.9 ; C212.1@55.45,32.1 55.3,32.25 52.8,32.25 51.85,32.25 47.75,32.25 47.2,31.7 47.2,25.6 47.2,25.22 47.45,24.97 47.45,23.45 47.85,23.05 49.1,23.05 49.65,22.5 C214.1@49.65,20.15 ; C212.1@55.5,32.1 C212.1@55.7,32.3 C211.1@57.3,32.3
3V3: C102.2 C106.2 C200.1 C201.1 C202.1 C203.1 C204.1 C205.1 C206.1 C207.1 C208.1 D100.A D101.A D201.1 J101.1 J202.41 J202.43 P101.17 P101.19 R103.2 R104.2 R109.1 R203.2 R204.1 R205.1 R207.1 R209.1 R210.1 R211.1 R212.1 R213.1 R214.1 R215.1 R216.1 SW100.2 SW100.2' U101.1 U103.6 U201.6 U201.15 U201.23 U201.32 U201.46 U201.49 U201.57 U201.66 | length 61.6
  Top Layer w0.2: R104.2@2.2,37.3 R103.2@2.2,38.4 v2(2.95,38.4) ; v2(18.1,45.9) v2(18.1,47.1) ; SW100.2'@32.1,47.525 SW100.2@35.7,47.525 ; v2(45.3,29.6) R204.1@45.9,29.6 ; R203.2@45.35,24 45.4,23.95 v1(46,23.95) 46,24.85 R205.1@45.95,24.9 ; D201.1@45.55,19.9 45.55,19 v1(46.35,19) ; v1(48.009,27.809) 48.045,27.845 U201.23@48.988,27.845 ; v1(48.1,24.1) 48.154,24.1 48.299,24.245 U201.32@48.988,24.245 ; U201.15@50.463,30.52 50.463,31.363 v1(50.6,31.5) ; v1@54,21.554 v1(54.063,21.617) U201.46@54.063,22.77 ; U201.6@54.063,30.52 54.063,31.099 54.364,31.4 v1(54.6,31.4) 55,31.8 56.1,31.8 v1(56.5,31.4) ; U201.49@55.263,22.77 55.263,21.941 55.4,21.804 v1(55.4,21.75) ; v1(56.7,22.05) 57.05,22.05 57.554,21.546 59.754,21.546 60.4,20.9 v1(60.4,20.5) ; U201.57@56.738,25.445 57.695,25.445 57.99,25.15 v1(58.5,25.15) ; U201.66@56.738,29.045 57.541,29.045 57.646,29.15 v1(57.7,29.15) ; R209.1@58.1,17.8 R210.1@59.2,17.8 R211.1@60.3,17.8 ; v1(60.3,18.7) R211.1@60.3,17.8 ; R212.1@61.4,17.8 R211.1@60.3,17.8
  Top Layer w0.254: v1(48.473,33.656) 48.487,33.643 48.487,33.013 R207.1@48.5,33
  Int2 (Sign) w0.2: v1(60.3,18.7) 60.3,20.346 60.4,20.446 v1(60.4,20.5)
  Int3 (Sign) w0.2: v1(24.9,41.9) v1(24.9,45.4) ; v1(46.7,23.7) 48.1,23.7 ; v1(48.1,24.1) 48.1,23.7 ; v1(48.9,22.1) 48.9,22.9 48.1,23.7 ; v1(50.55,32.9) 50.55,31.55 v1(50.6,31.5) ; v1(56.7,22.05) 56.7,22.104 56.4,22.404 56.4,24.95 56.85,25.4 57.75,25.4 58,25.15 v1(58.5,25.15)
  Bottom Layer w0.2: v2(13.2,35.7) R109.1@13.2,36.45 ; v1(24.9,41.9) J101.1@24.9,42.85 ; v1(40.05,35.35) 40.85,35.35 J202.41@40.9,35.4 40.95,35.45 v1(41.75,35.45) ; v1(40.05,36.15) 40.85,36.15 J202.43@40.9,36.2 v1(41.75,36.2) ; v1(48.473,33.656) 53.144,33.656 R214.1@53.3,33.5 ; C203.1@50.2,30.6 50.246,30.646 50.246,31.146 v1(50.6,31.5) ; C204.1@54,30.65 54.046,30.696 54.046,30.846 v1(54.6,31.4)
  Bottom Layer w0.3: v2(16.1,35.75) C102.2@16.1,36.45 U101.1@16.1,37.625
  other v2: 34.5,47.55
3V3_PO: C105.2 J202.28 R107.2 U100.6 | length 42.9
  Top Layer w0.2: C105.2@13.55,10.4 C105.2@13.585,10.365 ; v2(14.25,10.35) 13.6,10.35 C105.2@13.585,10.365 ; R107.2@14.5,9.3 U100.6@13.585,9.3 C105.2@13.585,10.365
  Top Layer w0.3: v2(24.9,8.4) 30,13.5 v2(30.8,13.5)
  Bottom Layer w0.3: v2(14.25,10.35) 22.05,10.35 24,8.4 v2(24.9,8.4) ; v2(30.8,13.5) 31.8,14.5 31.8,18.3 30.3,19.8 30.3,23.9 36.2,29.8 J202.28@37.1,29.8
5V: C103.2 C209.1 C210.1 C231.1 C232.1 C234.2 C235.1 C236.1 C239.1 C240.1 J202.9 J202.11 J202.47 J202.49 R115.2 R201.2 U102.1 U200.5 U202.2 U203.2 | length 93.8
  Top Layer w0.254: v2(45.45,37.7) C231.1@46.3,37.7 v2(46.3,36.8) ; v2(47.95,36.8) C232.1@47.95,37.7 ; C239.1@49.5,37.7 C239.1@49.512,37.712 ; U203.2@50.812,37.712 U203.2@50.825,37.725 ; C235.1@55.1,13.25 C235.1@55.125,13.275
  Top Layer w0.3: C239.1@49.512,37.712 U203.2@50.812,37.712 ; C235.1@55.125,13.275 U202.2@57.025,13.275
  Top Layer w0.5: C231.1@46.3,37.7 v2(47.1,37.7) C232.1@47.95,37.7 C239.1@49.5,37.7 ; C236.1@53.5,13.25 C235.1@55.1,13.25 C240.1@55.1,11.85 55.823,11.85 56.173,11.5 v2(56.2,11.5)
  Top Layer w0.8: v2(37.7,14.8) v2(37.7,13.9) 37.7,8.3 v2(38.9,7.1) v2(39.6,6.4)
  Bottom Layer w0.2: 51.4,10.65 R201.2@52.2,10.65
  Bottom Layer w0.254: 51.3,10.75 51.4,10.65 ; R201.2@52.052,10.848 52.2,10.7 R201.2@52.2,10.65 ; U102.1@62.95,11.825 C103.2@62.95,13.3 63.133,13.483 63.133,13.983 63.5,14.35 65.4,14.35 65.994,13.756 65.994,12.906 R115.2@66,12.9
  Bottom Layer w0.5: J202.9@40.9,22.6 41.95,22.6 41.95,23.4 J202.11@40.9,23.4 ; J202.47@40.9,37.8 42.8,37.8 43.8,36.8 v2(46.3,36.8) v2(47.95,36.8) ; J202.49@40.9,38.6 43.3,38.6 44.2,37.7 v2(45.45,37.7) v2(47.1,37.7) ; C209.1@48.05,13.25 48.05,11.875 48.375,11.55 C234.2@48.75,11.55 49.325,11.55 C234.2@49.575,11.8 ; C210.1@49.65,13.25 49.65,11.875 C234.2@49.575,11.8 ; U200.5@51.3,12.05 U200.5@51.3,11.875 ; v2(56.2,11.5) 56.2,9.6 ; U102.1@62.95,11.825 61.925,11.825 59.7,9.6 56.2,9.6 ; C234.2@49.575,11.8 51.225,11.8 U200.5@51.3,11.875 ; U200.5@51.3,11.875 51.3,10.75 51.3,10.15 51.85,9.6 56.2,9.6
  Bottom Layer w0.8: v2(37.7,13.9) v2(37.7,14.8) 39.5,16.6 41.6,16.6 42.2,17.2 42.2,22.35 41.95,22.6 ; v2(38.9,7.1) v2(39.6,6.4) 42.7,6.4 47.85,11.55 C234.2@48.375,11.55
5V_PO: J202.36 J202.38 P100A.77 P100A.79 P100A.81 P100A.83 P100A.85 P100A.87 P101.21 | length 97.6
  Top Layer w0.2: v1(5.45,13.5) 5.45,13.75 5.6,13.9 P100A.77@6.11,13.9 ; v1@5.46,13.5 6.11,13.5 v1(6.8,13.5) 6.8,13.1 v1(6.8,12.7) ; P100A.87@6.11,11.9 6.5,11.9 6.762,12.162 6.762,12.662 v1(6.8,12.7) ; P100A.85@6.11,12.3 5.575,12.3 5.488,12.387 5.488,12.662 v1(5.45,12.7) 6.11,12.7 v1(6.8,12.7) ; P100A.81@6.11,13.1 6.7,13.1
  Top Layer w0.5: v1(36.25,33) v1(37.95,33) v1(37.95,33.8) v1(36.25,33.8)
  Top Layer w0.8: v2(18.2,26.5) 18.2,34.9 19.7,36.4 23,36.4 25.1,38.5 27.5,38.5 31,42 38.2,42 39,41.2 39,39.7 37.95,38.65 v1(37.95,33.8)
  Bottom Layer w0.2: v1(36.25,33) v1(37.95,33) ; v1(36.25,33.8) J202.38@37.1,33.8 v1(37.95,33.8)
  Bottom Layer w0.3: v1(5.45,12.7) 5.45,13.1 v1(5.45,13.5)
  Bottom Layer w0.5: P101.21@-3.771,11.765 -2.521,10.515 -0.615,10.515 0.5,9.4 0.5,6.8 1.3,6 3.8,6 4.9,7.1 4.9,9.2 6.8,11.1 v1(6.8,12.7)
  Bottom Layer w0.8: 7,13.1 11.3,13.1 18.2,20 v2(18.2,26.5)
  Bottom Layer w1.2: 5.45,13.1 7,13.1